# KiCad board pcb.kicad_pcb (continued)
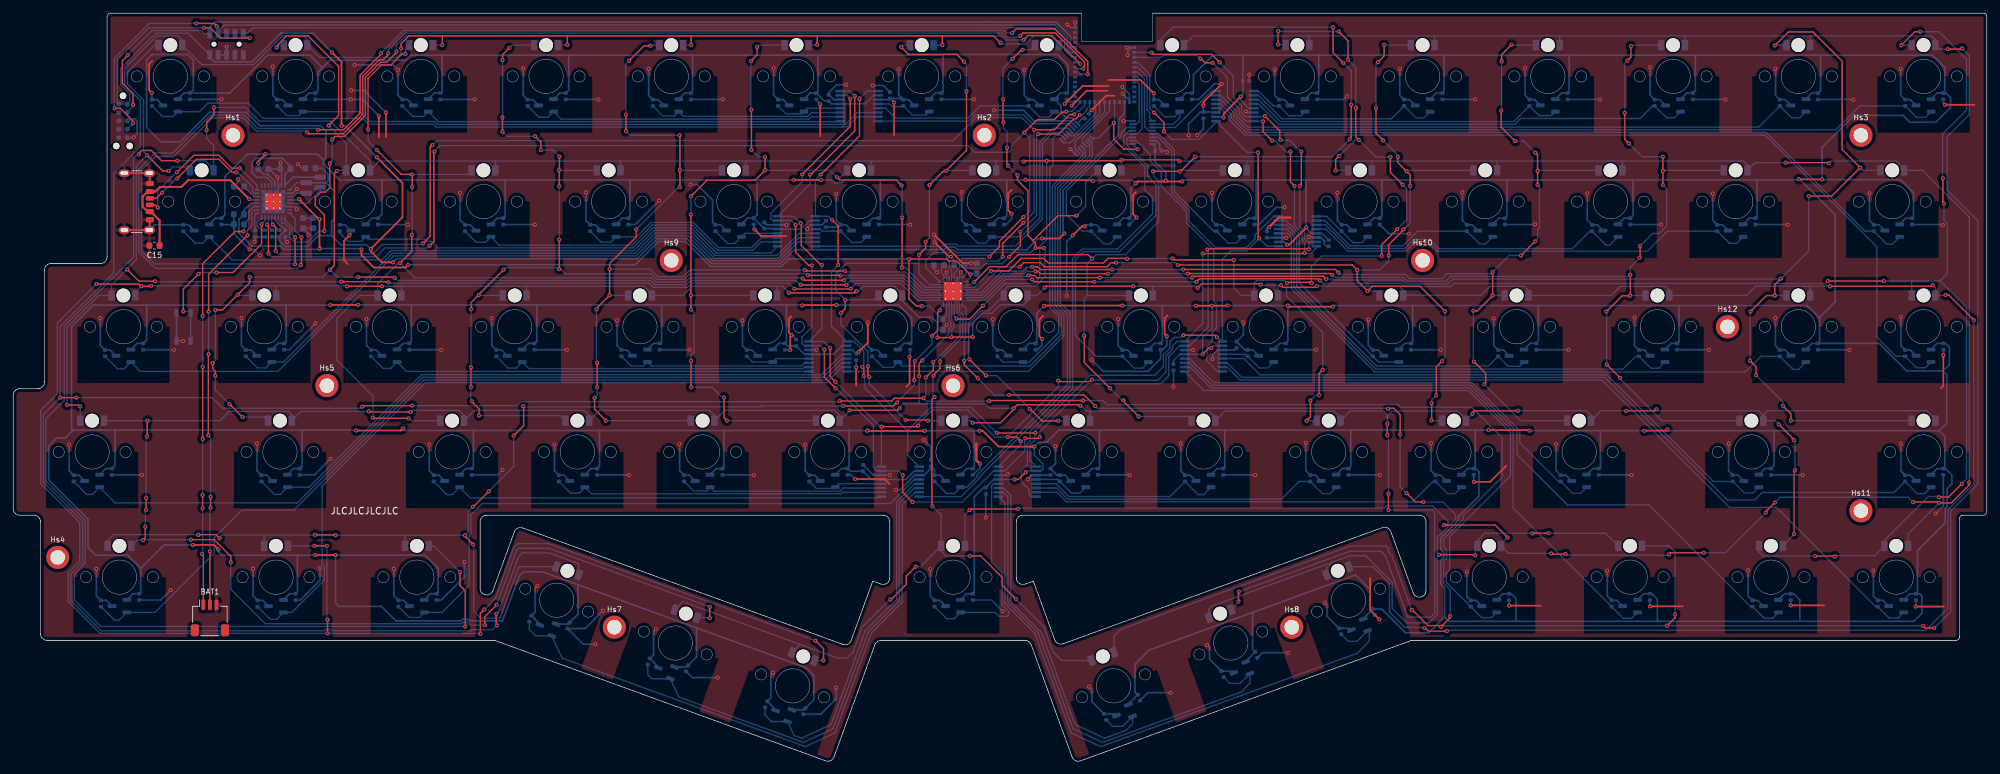
[diagram p0: board, top side]
## Placement (name value [footprint] x y rotation side) (continued)
TMR45  TMR2617  [SOT-23-3]  11.97 42.48 180 bottom
TMR46  TMR2617  [SOT-23-3]  40.48 42.48 180 bottom
TMR47  TMR2617  [SOT-23-3]  66.6 42.48 180 bottom
TMR48  TMR2617  [SOT-23-3]  85.6 42.48 180 bottom
TMR49  TMR2617  [SOT-23-3]  104.6 42.48 180 bottom
TMR50  TMR2617  [SOT-23-3]  123.6 42.48 180 bottom
TMR51  TMR2617  [SOT-23-3]  142.6 42.48 180 bottom
TMR52  TMR2617  [SOT-23-3]  161.6 42.48 180 bottom
TMR53  TMR2617  [SOT-23-3]  180.6 42.48 180 bottom
TMR54  TMR2617  [SOT-23-3]  199.6 42.48 180 bottom
TMR55  TMR2617  [SOT-23-3]  218.6 42.48 180 bottom
TMR56  TMR2617  [SOT-23-3]  237.6 42.48 180 bottom
TMR57  TMR2617  [SOT-23-3]  263.73 42.48 180 bottom
TMR58  TMR2617  [SOT-23-3]  289.85 42.48 180 bottom
TMR59  TMR2617  [SOT-23-3]  16.12 23.48 180 bottom
TMR60  TMR2617  [SOT-23-3]  39.88 23.48 180 bottom
TMR61  TMR2617  [SOT-23-3]  61.25 23.48 180 bottom
TMR62  TMR2617  [SOT-23-3]  80.97 20.25 160 bottom
TMR63  TMR2617  [SOT-23-3]  98.95 13.75 160 bottom
TMR64  TMR2617  [SOT-23-3]  116.75 7.25 160 bottom
TMR65  TMR2617  [SOT-23-3]  142.6 23.48 180 bottom
TMR66  TMR2617  [SOT-23-3]  168.45 7.25 200 bottom
TMR67  TMR2617  [SOT-23-3]  186.25 13.75 200 bottom
TMR68  TMR2617  [SOT-23-3]  204.1 20.25 200 bottom
TMR69  TMR2617  [SOT-23-3]  223.95 23.48 180 bottom
TMR70  TMR2617  [SOT-23-3]  245.32 23.48 180 bottom
TMR71  TMR2617  [SOT-23-3]  266.7 23.48 180 bottom
TMR72  TMR2617  [SOT-23-3]  285.7 23.48 180 bottom
USB1  USB_C_Receptacle_PowerOnly_6P  [USB_C_Receptacle_GCT_USB4125-xx-x-0190_6P_TopMnt_Horizontal]  17.65 84.88 270 top

## Library data of the parts
BAT1 = -: Description: PS5 battery pack (red->power, black->ground, white->ntc); ki_fp_filters: TSSOP*4.4x9.7mm*P0.65mm*
C1-C5 C10-C13 C16-C20 C24-C27 = -: Description: Capacitor, X5R, ±10%, at least 2xVdd (>=5V); ki_fp_filters: C_*
C6-C8 C21 C22 = -: Description: Capacitor, X5R, 25 V, ±20%; ki_fp_filters: C_*
C9 C29 = -: Description: Capacitor, X5R, ±10%; ki_fp_filters: C_*
C14 C15 C30-C32 = -: Description: Capacitor, X5R, 10 V, ±10%; ki_fp_filters: C_*
C23 C28 = -: Description: Capacitor, X7R, 16 V, ±10%; ki_fp_filters: C_*
Cvcc1-Cvcc72 Cvout1-Cvout72 = -: Description: Unpolarized capacitor, small symbol; ki_fp_filters: C_*
D1-D72 = -: Datasheet: https://www.we-online.com/components/products/datasheet/156120VS75300.pdf; Description: Light emitting diode, small symbol, filled shape; Sim.Pins: 1=K 2=A; ki_fp_filters: LED* LED_SMD:* LED_THT:*
Hs1-Hs12 = -: Description: Mounting Hole without connection; ki_fp_filters: MountingHole*
JTAG1 JTAG2 = -: Description: Generic connector, double row, 02x05, odd/even pin numbering scheme (row 1 odd numbers, row 2 even numbers), script generated (kicad-library-utils/schlib/autogen/connector/); ki_fp_filters: Connector*:*_2x??_*
L1 = -: Description: Inductor, DCR < 400 mΩ, ±20%; Ex: Murata DFE201210U-2R2M Samsung CIGT201610EH2R2MNE  Samsung CIGT252008LM2R2MNE  Taiyo Yuden MDKK1616T2R2MM; ki_fp_filters: Choke_* *Coil* Inductor_* L_*
L2 = -: Description: Inductor, DCR < 400 mΩ, ±20%; ki_fp_filters: Choke_* *Coil* Inductor_* L_*
LEDDR1 = -: Datasheet: http://www.ti.com/lit/ds/symlink/lp5864.pdf; Description: 72-Channel 12-Bit PWM Ultra-low Quiescent Current I2C RGB LED Driver; ki_fp_filters: VQFN?46?1EP?5x6mm?P0.4mm?EP2.8x3.8mm*
M1 = -: Datasheet: https://www.ezurio.com/documentation/datasheet-bl54l10-and-bl54l15-series; Description: nRF54L15 module
MUXA1 MUXA2 = -: Datasheet: https://www.ti.com/lit/ds/symlink/tmux1574.pdf; Description: Low Capacitance, 4-Channel, 2 to 1 Switch, Powered-off Protection with 1.8V logic, TSOT-23-16; ki_fp_filters: *TSOT*23?16*
MUXB1-MUXB8 = -: Datasheet: https://www.ti.com/lit/ds/symlink/tmux1108.pdf; Description: 5V / ±2.5V, Low-Leakage-Current, 8:1 Precision Multiplexer, 2.5 Ohm Ron, 90Mhz, TSSOP-16; ki_fp_filters: TSSOP*4.4x5mm*P0.65mm*
PMIC1 = -: Datasheet: https://docs.nordicsemi.com/bundle/ps_npm1300; Description: PMIC, LED Driver, Battery Charger, QFN-32; ki_fp_filters: QFN*32*1EP*5x5mm*P0.5mm*EP3.6x3.6mm*
R1 R2 = -: Description: Resistor, small symbol; ki_fp_filters: R_*
R3 R4 = -: Description: Resistor, 0.05 W, ±1%, to select 1.8v at buck converter #1 on reset; ki_fp_filters: R_*
S1-S72 = -: Description: Gateron Low profile magentic switch
SW1 = -: Description: 1x DIP Switch, Single Pole Single Throw (SPST) switch, small symbol; ki_fp_filters: SW?DIP?x1*
TMR1-TMR72 = -: Description: TMR sensor by MDT, z-axis sensitivity, SOT23-3; ki_fp_filters: SOT?23*
USB1 = -: Datasheet: https://www.usb.org/sites/default/files/documents/usb_type-c.zip; Description: USB Power-Only 6P Type-C Receptacle connector; ki_fp_filters: USB*C*Receptacle*

## Footprints (pads in the part's own frame, mm; a bottom-side part is the same pattern mirrored in y, then rotated)
Button_Switch_3x4x2.5
  rect 1.2x0.65 smd: 1(-2.15,1.075) 1(2.15,1.075) 2(-2.15,-1.075) 2(2.15,-1.075)
C_0402_1005Metric
  rrect 0.56x0.62 smd: 1(-0.48,0) 2(0.48,0)
C_0603_1608Metric
  rrect 0.9x0.95 smd: 1(-0.775,0) 2(0.775,0)
Ezurio_BL54L15_Module
  rect 0.45x0.6 smd: 1(11.8,0.503) 2(11.05,0.503) 3(10.3,0.503) 4(9.55,0.503) 5(8.8,0.503) 6(8.05,0.503) 7(7.3,0.503) 8(6.55,0.503) 9(5.8,0.503) 10(5.05,0.503) 11(4.3,0.503) 12(3.55,0.503) 13(2.8,0.503) 14(2.05,0.503) 15(1.3,0.503) 16(0.55,0.503) 28(0.55,9.497) 29(1.3,9.497) 30(2.05,9.497) 31(2.8,9.497) 32(3.55,9.497) 33(4.3,9.497) 34(5.05,9.497) 35(5.8,9.497) 36(6.55,9.497) 37(7.3,9.497) 38(8.05,9.497) 39(8.8,9.497)
  rect 0.6x0.45 smd: 17(0.503,1.25) 18(0.503,2) 19(0.503,2.75) 20(0.503,3.5) 21(0.503,4.25) 22(0.503,5) 23(0.503,5.75) 24(0.503,6.5) 25(0.503,7.25) 26(0.503,8) 27(0.503,8.75)
JST_SH_SM03B-SRSS-TB_1x03-1MP_P1.00mm_Horizontal
  rrect 0.6x1.55 smd: 1(-1,2) 2(0,2) 3(1,2)
  rrect 1.2x1.8 smd: MP(-2.3,-1.875) MP(2.3,-1.875)
L_Samsung_CIGT201610EH2R2MNE
  rrect 0.8x1.8 smd: 1(-0.8,0) 2(0.8,0)
LED_1206_3216Metric_ReverseMount_Hole2.1mm
  round 2.1 hole 2.1 unplated: (0,0)
  rrect 1x1.6 smd: 1(-1.8,0) 2(1.8,0)
MountingHole_2.2mm_M2_ISO7380_Pad_TopBottom
  round 2.6 hole 2.2: 1(0,0)
  round 3.5 smd: 1(0,0)
  round 3.5 smd far side: 1(0,0)
QFN-32-1EP_5x5mm_P0.5mm_EP3.6x3.6mm_ThermalVias
  rrect 0.97x0.97 smd: (-1.2,-1.2) (-1.2,0) (-1.2,1.2) (0,-1.2) (0,0) (0,1.2) (1.2,-1.2) (1.2,0) (1.2,1.2)
  rrect 0.8x0.25 smd: 1(-2.45,1.75) 2(-2.45,1.25) 3(-2.45,0.75) 4(-2.45,0.25) 5(-2.45,-0.25) 6(-2.45,-0.75) 7(-2.45,-1.25) 8(-2.45,-1.75) 17(2.45,-1.75) 18(2.45,-1.25) 19(2.45,-0.75) 20(2.45,-0.25) 21(2.45,0.25) 22(2.45,0.75) 23(2.45,1.25) 24(2.45,1.75)
  rrect 0.25x0.8 smd: 9(-1.75,-2.45) 10(-1.25,-2.45) 11(-0.75,-2.45) 12(-0.25,-2.45) 13(0.25,-2.45) 14(0.75,-2.45) 15(1.25,-2.45) 16(1.75,-2.45) 25(1.75,2.45) 26(1.25,2.45) 27(0.75,2.45) 28(0.25,2.45) 29(-0.25,2.45) 30(-0.75,2.45) 31(-1.25,2.45) 32(-1.75,2.45)
  round 0.5 hole 0.2: 33(-1,-1) 33(-1,0) 33(-1,1) 33(0,-1) 33(0,0) 33(0,1) 33(1,-1) 33(1,0) 33(1,1)
  rect 2.5x2.5 smd far side: 33(0,0)
  rect 3.6x3.6 smd: 33(0,0)
R_0402_1005Metric
  rrect 0.54x0.64 smd: 1(-0.51,0) 2(0.51,0)
SAMTEC-CLP-105-02-X-D-A
  round 0.74 hole 0.74 unplated: (-1.905,0) (1.905,0)
  rect 0.74x1.47 smd: 1(-2.54,1.613) 2(-2.54,-1.613) 3(-1.27,1.613) 4(-1.27,-1.613) 5(0,1.613) 6(0,-1.613) 7(1.27,1.613) 8(1.27,-1.613) 9(2.54,1.613) 10(2.54,-1.613)
SOT-23-3
  rrect 1.325x0.6 smd: 1(-1.137,0.95) 2(-1.137,-0.95) 3(1.137,0)
Tag-Connect_TC2050-IDC-NL_2x05_P1.27mm_Vertical
  round 0.991 hole 0.991 unplated: (-3.81,0) (3.81,-1.016) (3.81,1.016)
  round 0.787 smd: 1(-2.54,-0.635) 2(-1.27,-0.635) 3(0,-0.635) 4(1.27,-0.635) 5(2.54,-0.635) 6(2.54,0.635) 7(1.27,0.635) 8(0,0.635) 9(-1.27,0.635) 10(-2.54,0.635)
Texas_DYY0016A_TSOT-23-16_2x4.2mm_P0.5mm
  rrect 1.05x0.3 smd: 1(-1.5,1.75) 2(-1.5,1.25) 3(-1.5,0.75) 4(-1.5,0.25) 5(-1.5,-0.25) 6(-1.5,-0.75) 7(-1.5,-1.25) 8(-1.5,-1.75) 9(1.5,-1.75) 10(1.5,-1.25) 11(1.5,-0.75) 12(1.5,-0.25) 13(1.5,0.25) 14(1.5,0.75) 15(1.5,1.25) 16(1.5,1.75)
TSSOP-16_4.4x5mm_P0.65mm
  rrect 1.475x0.4 smd: 1(-2.862,2.275) 2(-2.862,1.625) 3(-2.862,0.975) 4(-2.862,0.325) 5(-2.862,-0.325) 6(-2.862,-0.975) 7(-2.862,-1.625) 8(-2.862,-2.275) 9(2.862,-2.275) 10(2.862,-1.625) 11(2.862,-0.975) 12(2.862,-0.325) 13(2.862,0.325) 14(2.862,0.975) 15(2.862,1.625) 16(2.862,2.275)
USB_C_Receptacle_GCT_USB4125-xx-x-0190_6P_TopMnt_Horizontal
  rrect 0.7x1.2 smd: A5(-0.5,3.08) B5(0.5,3.08)
  rrect 0.76x1.2 smd: A9(1.52,3.08) B9(-1.52,3.08)
  rrect 0.8x1.2 smd: A12(2.75,3.08) B12(-2.75,3.08)
  oval 1.1x1.7 hole 0.6x1.2: S1(-4.32,3) S1(-4.32,-0.8) S1(4.32,3) S1(4.32,-0.8)
VQFN-32-1EP_4x4mm_P0.4mm_EP2.8x2.8mm_ThermalVias
  rrect 1.17x1.17 smd: (-0.7,-0.7) (-0.7,0.7) (0.7,-0.7) (0.7,0.7)
  rrect 0.775x0.2 smd: 1(-1.988,1.4) 2(-1.988,1) 3(-1.988,0.6) 4(-1.988,0.2) 5(-1.988,-0.2) 6(-1.988,-0.6) 7(-1.988,-1) 8(-1.988,-1.4) 17(1.988,-1.4) 18(1.988,-1) 19(1.988,-0.6) 20(1.988,-0.2) 21(1.988,0.2) 22(1.988,0.6) 23(1.988,1) 24(1.988,1.4)
  rrect 0.2x0.775 smd: 9(-1.4,-1.988) 10(-1,-1.988) 11(-0.6,-1.988) 12(-0.2,-1.988) 13(0.2,-1.988) 14(0.6,-1.988) 15(1,-1.988) 16(1.4,-1.988) 25(1.4,1.988) 26(1,1.988) 27(0.6,1.988) 28(0.2,1.988) 29(-0.2,1.988) 30(-0.6,1.988) 31(-1,1.988) 32(-1.4,1.988)
  round 0.5 hole 0.2: 33(-1.15,-1.15) 33(-1.15,0) 33(-1.15,1.15) 33(0,-1.15) 33(0,0) 33(0,1.15) 33(1.15,-1.15) 33(1.15,0) 33(1.15,1.15)
  rect 2.8x2.8 smd far side: 33(0,0)
  rect 2.8x2.8 smd: 33(0,0)

## Nets
/VDDIO: C9.2 C21.1 JTAG1.1 JTAG2.1 L1.1 M1.26 PMIC1.1 PMIC1.12 R1.1 R2.1
GND: BAT1.3 C1.1 C2.1 C3.1 C4.1 C5.1 C6.2 C7.2 C8.2 C9.1 C10.1 C10.2 C11.1 C11.2 C12.1 C12.2 C13.1 C13.2 C14.2 C15.2 C16.1 C17.1 C18.1 C19.1 C20.1 C21.2 C22.2 C23.2 C24.1 C24.2 C25.1 C25.2 C26.1 C26.2 C27.1 C27.2 C28.2 C29.2 C30.1 C31.2 C32.2 Cvcc1.2 Cvcc2.2 Cvcc3.2 Cvcc4.2 Cvcc5.2 Cvcc6.2 Cvcc7.2 Cvcc8.2 Cvcc9.2 Cvcc10.2 Cvcc11.2 Cvcc12.2 Cvcc13.2 Cvcc14.2 Cvcc15.2 Cvcc16.2 Cvcc17.2 Cvcc18.2 Cvcc19.2 Cvcc20.2 Cvcc21.2 Cvcc22.2 Cvcc23.2 Cvcc24.2 Cvcc25.2 Cvcc26.2 Cvcc27.2 Cvcc28.2 Cvcc29.2 Cvcc30.2 Cvcc31.2 Cvcc32.2 Cvcc33.2 Cvcc34.2 Cvcc35.2 Cvcc36.2 Cvcc37.2 Cvcc38.2 Cvcc39.2 Cvcc40.2 Cvcc41.2 Cvcc42.2 Cvcc43.2 Cvcc44.2 Cvcc45.2 Cvcc46.2 Cvcc47.2 Cvcc48.2 Cvcc49.2 Cvcc50.2 Cvcc51.2 Cvcc52.2 Cvcc53.2 Cvcc54.2 Cvcc55.2 Cvcc56.2 Cvcc57.2 Cvcc58.2 Cvcc59.2 Cvcc60.2 Cvcc61.2 Cvcc62.2 Cvcc63.2 Cvcc64.2 Cvcc65.2 Cvcc66.2 Cvcc67.2 Cvcc68.2 Cvcc69.2 Cvcc70.2 Cvcc71.2 Cvcc72.2 Cvout1.2 Cvout2.2 Cvout3.2 Cvout4.2 Cvout5.2 Cvout6.2 Cvout7.2 Cvout8.2 Cvout9.2 Cvout10.2 Cvout11.2 Cvout12.2 Cvout13.2 Cvout14.2 Cvout15.2 Cvout16.2 Cvout17.2 Cvout18.2 Cvout19.2 Cvout20.2 Cvout21.2 Cvout22.2 Cvout23.2 Cvout24.2 Cvout25.2 Cvout26.2 Cvout27.2 Cvout28.2 Cvout29.2 Cvout30.2 Cvout31.2 Cvout32.2 Cvout33.2 Cvout34.2 Cvout35.2 Cvout36.2 Cvout37.2 Cvout38.2 Cvout39.2 Cvout40.2 Cvout41.2 Cvout42.2 Cvout43.2 Cvout44.2 Cvout45.2 Cvout46.2 Cvout47.2 Cvout48.2 Cvout49.2 Cvout50.2 Cvout51.2 Cvout52.2 Cvout53.2 Cvout54.2 Cvout55.2 Cvout56.2 Cvout57.2 Cvout58.2 Cvout59.2 Cvout60.2 Cvout61.2 Cvout62.2 Cvout63.2 Cvout64.2 Cvout65.2 Cvout66.2 Cvout67.2 Cvout68.2 Cvout69.2 Cvout70.2 Cvout71.2 Cvout72.2 JTAG1.3 JTAG1.5 JTAG2.3 JTAG2.5 LEDDR1.26 LEDDR1.27 LEDDR1.30 LEDDR1.31 LEDDR1.33 M1.1 M1.16 M1.27 M1.39 MUXA1.8 MUXA1.15 MUXA2.8 MUXA2.15 MUXB1.3 MUXB1.14 MUXB2.3 MUXB2.14 MUXB3.3 MUXB3.14 MUXB4.3 MUXB4.14 MUXB5.3 MUXB5.14 MUXB6.3 MUXB6.14 MUXB7.3 MUXB7.14 MUXB8.3 MUXB8.14 PMIC1.2 PMIC1.6 PMIC1.30 PMIC1.31 PMIC1.33 R3.1 R4.1 SW1.1 TMR1.3 TMR2.3 TMR3.3 TMR4.3 TMR5.3 TMR6.3 TMR7.3 TMR8.3 TMR9.3 TMR10.3 TMR11.3 TMR12.3 TMR13.3 TMR14.3 TMR15.3 TMR16.3 TMR17.3 TMR18.3 TMR19.3 TMR20.3 TMR21.3 TMR22.3 TMR23.3 TMR24.3 TMR25.3 TMR26.3 TMR27.3 TMR28.3 TMR29.3 TMR30.3 TMR31.3 TMR32.3 TMR33.3 TMR34.3 TMR35.3 TMR36.3 TMR37.3 TMR38.3 TMR39.3 TMR40.3 TMR41.3 TMR42.3 TMR43.3 TMR44.3 TMR45.3 TMR46.3 TMR47.3 TMR48.3 TMR49.3 TMR50.3 TMR51.3 TMR52.3 TMR53.3 TMR54.3 TMR55.3 TMR56.3 TMR57.3 TMR58.3 TMR59.3 TMR60.3 TMR61.3 TMR62.3 TMR63.3 TMR64.3 TMR65.3 TMR66.3 TMR67.3 TMR68.3 TMR69.3 TMR70.3 TMR71.3 TMR72.3 USB1.A12 USB1.B12 USB1.S1
VCCS: C1.2 C2.2 C3.2 C4.2 C5.2 C16.2 C17.2 C18.2 C19.2 C20.2 C23.1 Cvcc1.1 Cvcc2.1 Cvcc3.1 Cvcc4.1 Cvcc5.1 Cvcc6.1 Cvcc7.1 Cvcc8.1 Cvcc9.1 Cvcc10.1 Cvcc11.1 Cvcc12.1 Cvcc13.1 Cvcc14.1 Cvcc15.1 Cvcc16.1 Cvcc17.1 Cvcc18.1 Cvcc19.1 Cvcc20.1 Cvcc21.1 Cvcc22.1 Cvcc23.1 Cvcc24.1 Cvcc25.1 Cvcc26.1 Cvcc27.1 Cvcc28.1 Cvcc29.1 Cvcc30.1 Cvcc31.1 Cvcc32.1 Cvcc33.1 Cvcc34.1 Cvcc35.1 Cvcc36.1 Cvcc37.1 Cvcc38.1 Cvcc39.1 Cvcc40.1 Cvcc41.1 Cvcc42.1 Cvcc43.1 Cvcc44.1 Cvcc45.1 Cvcc46.1 Cvcc47.1 Cvcc48.1 Cvcc49.1 Cvcc50.1 Cvcc51.1 Cvcc52.1 Cvcc53.1 Cvcc54.1 Cvcc55.1 Cvcc56.1 Cvcc57.1 Cvcc58.1 Cvcc59.1 Cvcc60.1 Cvcc61.1 Cvcc62.1 Cvcc63.1 Cvcc64.1 Cvcc65.1 Cvcc66.1 Cvcc67.1 Cvcc68.1 Cvcc69.1 Cvcc70.1 Cvcc71.1 Cvcc72.1 MUXA1.16 MUXA2.16 MUXB1.2 MUXB1.13 MUXB2.2 MUXB2.13 MUXB3.2 MUXB3.13 MUXB4.2 MUXB4.13 MUXB5.2 MUXB5.13 MUXB6.2 MUXB6.13 MUXB7.2 MUXB7.13 MUXB8.2 MUXB8.13 PMIC1.29 TMR1.1 TMR2.1 TMR3.1 TMR4.1 TMR5.1 TMR6.1 TMR7.1 TMR8.1 TMR9.1 TMR10.1 TMR11.1 TMR12.1 TMR13.1 TMR14.1 TMR15.1 TMR16.1 TMR17.1 TMR18.1 TMR19.1 TMR20.1 TMR21.1 TMR22.1 TMR23.1 TMR24.1 TMR25.1 TMR26.1 TMR27.1 TMR28.1 TMR29.1 TMR30.1 TMR31.1 TMR32.1 TMR33.1 TMR34.1 TMR35.1 TMR36.1 TMR37.1 TMR38.1 TMR39.1 TMR40.1 TMR41.1 TMR42.1 TMR43.1 TMR44.1 TMR45.1 TMR46.1 TMR47.1 TMR48.1 TMR49.1 TMR50.1 TMR51.1 TMR52.1 TMR53.1 TMR54.1 TMR55.1 TMR56.1 TMR57.1 TMR58.1 TMR59.1 TMR60.1 TMR61.1 TMR62.1 TMR63.1 TMR64.1 TMR65.1 TMR66.1 TMR67.1 TMR68.1 TMR69.1 TMR70.1 TMR71.1 TMR72.1
/AIN0: M1.23 MUXA1.4
/AIN1: M1.22 MUXA1.7
/AIN2: M1.21 MUXA1.9
/AIN3: M1.20 MUXA1.12
/AIN4: M1.35 MUXA2.9
/AIN5: M1.34 MUXA2.12
/AIN6: M1.33 MUXA2.4
/AIN7: M1.32 MUXA2.7
/ANA_01: Cvout1.1 MUXB1.7 TMR1.2
/ANA_02: Cvout2.1 MUXB1.6 TMR2.2
/ANA_03: Cvout3.1 MUXB1.9 TMR3.2
/ANA_04: Cvout4.1 MUXB1.10 TMR4.2
/ANA_05: Cvout5.1 MUXB1.11 TMR5.2
/ANA_06: Cvout6.1 MUXB1.12 TMR6.2
/ANA_07: Cvout7.1 MUXB1.4 TMR7.2
/ANA_08: Cvout8.1 MUXB1.5 TMR8.2
/ANA_09: Cvout9.1 MUXA2.10 TMR9.2
/ANA_10: Cvout10.1 MUXB5.9 TMR10.2
/ANA_11: Cvout11.1 MUXB5.10 TMR11.2
/ANA_12: Cvout12.1 MUXB5.11 TMR12.2
/ANA_13: Cvout13.1 MUXB5.12 TMR13.2
/ANA_14: Cvout14.1 MUXB5.7 TMR14.2
/ANA_15: Cvout15.1 MUXB5.6 TMR15.2
/ANA_16: Cvout16.1 MUXB2.5 TMR16.2
/ANA_17: Cvout17.1 MUXB2.9 TMR17.2
/ANA_18: Cvout18.1 MUXB2.10 TMR18.2
/ANA_19: Cvout19.1 MUXB2.11 TMR19.2
/ANA_20: Cvout20.1 MUXB2.12 TMR20.2
/ANA_21: Cvout21.1 MUXB2.4 TMR21.2
/ANA_22: Cvout22.1 MUXA1.13 TMR22.2
/ANA_23: Cvout23.1 MUXA2.6 TMR23.2
/ANA_24: Cvout24.1 MUXA2.13 TMR24.2
/ANA_25: Cvout25.1 MUXB6.9 TMR25.2
/ANA_26: Cvout26.1 MUXB6.10 TMR26.2
/ANA_27: Cvout27.1 MUXB6.11 TMR27.2
/ANA_28: Cvout28.1 MUXB6.12 TMR28.2
/ANA_29: Cvout29.1 MUXB5.5 TMR29.2
/ANA_30: Cvout30.1 MUXB2.7 TMR30.2
/ANA_31: Cvout31.1 MUXB2.6 TMR31.2
/ANA_32: Cvout32.1 MUXB3.9 TMR32.2
/ANA_33: Cvout33.1 MUXB3.10 TMR33.2
/ANA_34: Cvout34.1 MUXB3.11 TMR34.2
/ANA_35: Cvout35.1 MUXB3.12 TMR35.2
/ANA_36: Cvout36.1 MUXA1.6 TMR36.2
/ANA_37: Cvout37.1 MUXA1.10 TMR37.2
/ANA_38: Cvout38.1 MUXA2.3 TMR38.2
/ANA_39: Cvout39.1 MUXB7.4 TMR39.2
/ANA_40: Cvout40.1 MUXB6.7 TMR40.2
/ANA_41: Cvout41.1 MUXB6.6 TMR41.2
/ANA_42: Cvout42.1 MUXB6.5 TMR42.2
/ANA_43: Cvout43.1 MUXB6.4 TMR43.2
/ANA_44: Cvout44.1 MUXB5.4 TMR44.2
/ANA_45: Cvout45.1 MUXB3.5 TMR45.2
/ANA_46: Cvout46.1 MUXB3.4 TMR46.2
/ANA_47: Cvout47.1 MUXB4.9 TMR47.2
/ANA_48: Cvout48.1 MUXB4.10 TMR48.2
/ANA_49: Cvout49.1 MUXB4.11 TMR49.2
/ANA_50: Cvout50.1 MUXB4.12 TMR50.2
/ANA_51: Cvout51.1 MUXA1.3 TMR51.2
/ANA_52: Cvout52.1 MUXB8.4 TMR52.2
/ANA_53: Cvout53.1 MUXB8.5 TMR53.2
/ANA_54: Cvout54.1 MUXB8.6 TMR54.2
/ANA_55: Cvout55.1 MUXB8.7 TMR55.2
/ANA_56: Cvout56.1 MUXB7.12 TMR56.2
/ANA_57: Cvout57.1 MUXB7.5 TMR57.2
/ANA_58: Cvout58.1 MUXB7.6 TMR58.2
/ANA_59: Cvout59.1 MUXB3.6 TMR59.2
/ANA_60: Cvout60.1 MUXB3.7 TMR60.2
/ANA_61: Cvout61.1 MUXB4.4 TMR61.2
/ANA_62: Cvout62.1 MUXB4.7 TMR62.2
/ANA_63: Cvout63.1 MUXB4.6 TMR63.2
/ANA_64: Cvout64.1 MUXB4.5 TMR64.2
/ANA_65: Cvout65.1 MUXB8.12 TMR65.2
/ANA_66: Cvout66.1 MUXB8.11 TMR66.2
/ANA_67: Cvout67.1 MUXB8.10 TMR67.2
/ANA_68: Cvout68.1 MUXB8.9 TMR68.2
/ANA_69: Cvout69.1 MUXB7.9 TMR69.2
/ANA_70: Cvout70.1 MUXB7.10 TMR70.2
/ANA_71: Cvout71.1 MUXB7.11 TMR71.2
/ANA_72: Cvout72.1 MUXB7.7 TMR72.2
/CS0: D9.1 D24.1 D38.1 D53.1 LEDDR1.2
/CS1: D10.1 D25.1 D39.1 D54.1 LEDDR1.3
/CS2: D11.1 D26.1 D40.1 D55.1 LEDDR1.4
/CS3: D12.1 D27.1 D41.1 D56.1 LEDDR1.5
/CS4: D13.1 D28.1 D42.1 D57.1 LEDDR1.6
/CS5: D14.1 D29.1 D43.1 D58.1 LEDDR1.7
/CS6: D15.1 D44.1 D71.1 D72.1 LEDDR1.8
/CS7: D67.1 D68.1 D69.1 D70.1 LEDDR1.9
/CS8: D63.1 D64.1 D65.1 D66.1 LEDDR1.10
/CS9: D59.1 D60.1 D61.1 D62.1 LEDDR1.16
/CS10: D1.1 D16.1 D30.1 D45.1 LEDDR1.17
/CS11: D2.1 D17.1 D31.1 D46.1 LEDDR1.18
/CS12: D3.1 D18.1 D32.1 D47.1 LEDDR1.19
/CS13: D4.1 D19.1 D33.1 D48.1 LEDDR1.20
/CS14: D5.1 D20.1 D34.1 D49.1 LEDDR1.21
/CS15: D6.1 D21.1 D35.1 D50.1 LEDDR1.22
/CS16: D7.1 D22.1 D36.1 D51.1 LEDDR1.23
/CS17: D8.1 D23.1 D37.1 D52.1 LEDDR1.24
/GPIO_X: M1.8 PMIC1.10
/INT: M1.10 PMIC1.8
/LED_DR_EN: C29.1 LEDDR1.32 M1.19
/LOADSW_CTRL: M1.9 PMIC1.9
/MUX_B_1: MUXA1.14 MUXB1.8
/MUX_B_2: MUXA1.11 MUXB2.8
/MUX_B_3: MUXA1.5 MUXB3.8
/MUX_B_4: MUXA1.2 MUXB4.8
/MUX_B_5: MUXA2.11 MUXB5.8
/MUX_B_6: MUXA2.14 MUXB6.8
/MUX_B_7: MUXA2.2 MUXB7.8
/MUX_B_8: MUXA2.5 MUXB8.8
/MUXA_SEL: M1.24 MUXA1.1 MUXA2.1
/MUXB_SEL_0: M1.36 MUXB1.1 MUXB2.1 MUXB3.1 MUXB4.1 MUXB5.1 MUXB6.1 MUXB7.1 MUXB8.1
/MUXB_SEL_1: M1.37 MUXB1.16 MUXB2.16 MUXB3.16 MUXB4.16 MUXB5.16 MUXB6.16 MUXB7.16 MUXB8.16
/MUXB_SEL_2: M1.38 MUXB1.15 MUXB2.15 MUXB3.15 MUXB4.15 MUXB5.15 MUXB6.15 MUXB7.15 MUXB8.15
/NRESET: JTAG1.10 JTAG2.10 M1.7
/SCL: LEDDR1.28 M1.17 PMIC1.14 R1.2
/SDA: LEDDR1.29 M1.18 PMIC1.13 R2.2
/SW0: D1.2 D2.2 D3.2 D4.2 D5.2 D6.2 D7.2 D8.2 D9.2 D10.2 D11.2 D12.2 D13.2 D14.2 D15.2 D62.2 D66.2 D70.2 LEDDR1.11
/SW1: D16.2 D17.2 D18.2 D19.2 D20.2 D21.2 D22.2 D23.2 D24.2 D25.2 D26.2 D27.2 D28.2 D29.2 D61.2 D65.2 D69.2 D72.2 LEDDR1.12
/SW2: D30.2 D31.2 D32.2 D33.2 D34.2 D35.2 D36.2 D37.2 D38.2 D39.2 D40.2 D41.2 D42.2 D43.2 D44.2 D60.2 D64.2 D68.2 LEDDR1.13
/SW3: D45.2 D46.2 D47.2 D48.2 D49.2 D50.2 D51.2 D52.2 D53.2 D54.2 D55.2 D56.2 D57.2 D58.2 D59.2 D63.2 D67.2 D71.2 LEDDR1.14
/SWDCLK: JTAG1.4 JTAG2.4 M1.6
/SWDIO: JTAG1.2 JTAG2.2 M1.5
/VOUT2: C22.1 L2.1 PMIC1.28 PMIC1.32
/VSYS: C6.1 C7.1 C8.1 C31.1 C32.1 LEDDR1.1 LEDDR1.15 PMIC1.4 PMIC1.20
Net-(BAT1-NTC): BAT1.2 PMIC1.18
Net-(BAT1-VBAT): BAT1.1 C28.1 PMIC1.19
Net-(LEDDR1-VCAP): C30.2 LEDDR1.25
Net-(PMIC1-CC1): PMIC1.23 USB1.A5
Net-(PMIC1-CC2): PMIC1.24 USB1.B5
Net-(PMIC1-SHPHLD): PMIC1.15 SW1.2
Net-(PMIC1-SW1): L1.2 PMIC1.3
Net-(PMIC1-SW2): L2.2 PMIC1.5
Net-(PMIC1-VBUS): C15.1 PMIC1.21 USB1.A9 USB1.B9
Net-(PMIC1-VBUSOUT): C14.1 PMIC1.22
Net-(PMIC1-VSET1): PMIC1.17 R3.2
Net-(PMIC1-VSET2): PMIC1.16 R4.2

Pads without a net: BAT1 MP; Hs1 1; Hs2 1; Hs3 1; Hs4 1; Hs5 1; Hs6 1; Hs7 1; Hs8 1; Hs9 1; Hs10 1; Hs11 1; Hs12 1; JTAG1 6 7 8 9; JTAG2 6 7 8 9; M1 2 3 4 11 12 13 14 15 25 28 29 30 31; PMIC1 7 11 25 26 27

## Via types
v1: diameter 0.6, hole 0.3, Top to Bottom, 785 vias

## Routing (per net, layer and track width the routed paths; a pad name or vN(x,y) marks a point on that pad's centre or on a via; arc(x,y) is an arc through that point)
/VDDIO: length 257.4
  Top w0.25: v1(55.17,91.6) 59.07,87.7 59.07,82.5 v1(54.25,77.68) 54.25,77.36 55.95,75.66 v1(57.63,75.66) ; v1(49.82,96.4) 49.82,106.07 v1(48.36,107.53) ; v1(156.11,79.28) 158.72,79.28 v1(159.49,80.05)
  Bottom w0.2: PMIC1.1 43.04,87.75 L1.1 ; JTAG1.1 26.56,110.43 21.64,110.43 16.32,105.11 16.32,102.62 17.69,101.25 17.69,100.06 JTAG2.1 ; R1.1 R2.1 40.3,79.55 C9.2 41.28,80.66 40.73,81.21 40.53,81.21 39.73,82.01 PMIC1.12
  Bottom w0.25: v1(156.11,79.28) 155.51,79.28 153.81,77.58 143.3,77.58 142.88,77.99 141.66,77.99 141.24,77.58 118.5,77.58 116.4,75.47 106,75.47 102.21,79.27 97.74,79.27 94.7,76.23 94.68,76.21 63.73,76.21 63.73,76.21 58.18,76.21 v1(57.63,75.66) ; 47.45,87.75 47.79,88.09 47.79,89.01 46.85,89.95 C21.1 ; 47.45,87.75 48.75,86.45 48.75,82.29 48.31,81.85 48.31,79.72 ; 47.45,87.75 L1.1 ; v1(49.82,96.4) 50.37,96.4 v1(55.17,91.6) ; M1.26 168.6,98.22 167.69,97.31 167.69,94.99 159.31,86.6 159.31,80.23 v1(159.49,80.05) ; R2.1 40.3,79.05 41.27,78.07 44.65,78.07 46.29,79.72 48.31,79.72 ; JTAG1.1 29.83,106.79 30.53,106.1 36.24,106.1 40.6,110.46 45.43,110.46 v1(48.36,107.53) ; v1(54.25,77.68) 53.62,78.32 49.71,78.32 48.31,79.72
GND: length 1185.3
  Top w0.25: v1(226.99,23.55) 231.79,23.55 ; 292.95,23.5 292.86,23.41 v1(288.65,23.41) ; v1(127.89,59.72) 127.89,56.98 ; v1(269.69,23.59) 274.72,23.59 274.75,23.56 ; v1(151.48,83.04) 150.95,83.57 150.95,86.11 151.48,86.64 ; v1(293.09,99.58) 297.54,99.58 297.56,99.6 ; 167.1,100.96 165.84,100.96 v1(163.62,98.74) ; 170.31,86.29 169.9,85.88 169.9,83.01 v1(170.44,82.47) ; v1(112.47,80.66) 113.47,79.66 117.32,79.66 ; v1(133.64,99.94) 133.64,94.94 ; v1(128.25,62.05) 129.66,63.46 v1(129.66,66.54) ; v1(292.85,61.6) 292.85,56.92 292.49,56.56 ; v1(175.03,64.44) 174.7,64.77 174.7,67.18 175.14,67.62 ; v1(221.61,42.35) 224.1,42.35 226.55,44.8 ; v1(117.9,62.34) 117.9,64.42 v1(118.1,64.63) 117.7,65.03 117.7,67.12 118.03,67.45 ; 132.97,42.01 132.21,42.77 v1(127.74,42.77) ; v1(173.06,101.31) 171.02,103.35 166.17,103.35 ; v1(160.76,79.74) 162.16,81.14 v1(162.61,81.14) ; 55.49,94.67 55.48,94.68 v1(55.48,97.91) ; v1(156.12,64.04) 155.7,64.46 155.7,66.98 156.25,67.53 ; v1(207.29,21.46) 205.89,22.86 205.89,27.81 ; v1(160.61,99.44) 162.87,101.7 166.03,101.7 ; v1(159.54,99.72) 162.24,102.42 166.21,102.42 ; v1(122.44,99.69) 122.45,99.68 122.45,94.78 ; USB1.S1 USB1.S1 20.73,89.12 USB1.B12 ; v1(21.04,101.38) 20.62,101.8 20.62,105.74 21.1,106.22 ; v1(180.59,99.45) 180.59,99.98 v1(183.36,102.75) ; v1(139.71,79.89) 144.08,75.52 v1(145.29,75.52) ; v1(136.01,61.32) 136.01,57.28 135.52,56.79 ; v1(139.79,78.72) 141.99,76.52 v1(142.27,76.52) ; USB1.S1 USB1.S1 20.73,80.64 USB1.A12 ; v1(56.54,98.43) 56.57,98.4 56.57,94.64 ; 50.74,75.42 50.19,75.97 50.19,78.91 v1(51.03,79.75) ; v1(248.33,23.45) 253.33,23.45
  Top w0.35: 193.8,82.46 192,82.46 v1(190.56,81.02) ; 146.13,48.17 146.13,45.63 v1(146.69,45.07)
  Bottom w0.2: LEDDR1.33 143.2,71.88 LEDDR1.30 LEDDR1.31 143.6,73.97 v1(143.82,74.19) ; LEDDR1.27 LEDDR1.26 v1(141.6,74.16) ; v1(150.13,22.7) 148.43,24.4 Cvcc65.2
  Bottom w0.25: v1(51.3,101.76) 53.21,101.76 v1(56.54,98.43) ; v1(34.63,67.21) 34.63,63.03 Cvout31.2 36.08,62.36 TMR31.3 ; v1(148.81,98.74) 153.29,98.74 154.9,97.13 160.37,97.13 MUXA1.15 ; Cvcc66.2 172.16,10.34 v1(175.6,10.34) ; v1(39.39,105.38) 39.39,101.02 Cvout2.2 40.83,100.36 TMR2.3 ; Cvcc21.2 136.09,81.4 v1(136.11,81.38) ; v1(159.94,111.77) 160.43,111.28 M1.1 161.1,112.05 v1(161.12,112.07) ; v1(168.33,101.27) 169.35,100.25 M1.27 169.35,101.21 v1(168.3,102.26) ; v1(178.33,94.93) 178.33,96.66 180.14,98.47 C24.1 ; v1(286.42,48.14) 286.42,43.99 Cvout58.2 287.83,43.36 TMR58.3 ; Cvcc52.2 169.35,43.4 v1(169.39,43.36) ; Cvcc9.2 179.89,100.4 182.24,102.75 v1(183.36,102.75) ; TMR20.3 107.33,81.36 Cvout20.2 106.12,81.79 106.12,85.12 103.77,87.47 v1(102.78,87.47) ; Cvcc26.2 230.89,81.4 v1(230.93,81.44) ; C3.1 114.35,81.35 MUXB2.14 117.29,81.35 v1(117.32,81.33) ; v1(181.9,86.22) 181.9,82.01 Cvout24.2 183.33,81.36 TMR24.3 ; v1(163.62,98.74) 163.23,98.35 C1.1 ; TMR49.3 102.58,43.36 Cvout49.2 101.12,44.04 v1(101.12,48.11) ; Cvout7.2 134.36,101.05 v1(134.36,104.98) ; Cvout7.2 134.88,100.53 C10.2 ; Cvout7.2 135.83,100.36 TMR7.3 ; TMR27.3 240.33,81.36 Cvout27.2 238.82,82.09 v1(238.82,86.14) ; Cvcc33.2 84,62.4 v1(84.01,62.39) ; v1(177.16,48.17) 177.16,44 Cvout53.2 178.58,43.36 TMR53.3 ; v1(110.65,66.87) 110.65,63.01 Cvout35.2 112.08,62.36 TMR35.3 ; C22.2 40.49,89.82 C23.2 38.86,89.82 v1(40.11,88.57) 40.23,88.45 PMIC1.30 ; C22.2 40.54,90.76 v1(40.56,90.78) ; C22.2 40.73,89.68 PMIC1.31 PMIC1.30 ; TMR42.3 247.46,62.36 Cvout42.2 246,63.03 v1(246,67.32) ; v1(86.92,86.29) 86.92,81.99 Cvout19.2 88.33,81.36 TMR19.3 ; C24.1 182.42,98.47 MUXB5.3 ; C24.1 v1(180.59,99.45) ; v1(59.9,81.38) 59.88,81.4 Cvcc17.2 ; JTAG1.3 JTAG1.5 v1(32.37,108.4) ; Cvcc24.2 189.03,81.4 191.64,84.01 v1(192.9,84.01) ; C12.2 127.91,59.74 v1(127.89,59.72) ; TMR15.3 287.83,100.36 Cvout15.2 286.38,101.03 v1(286.38,105.03) ; Cvcc25.2 208.73,80.02 v1(211.79,80.02) ; v1(248.33,23.45) 248.32,23.45 Cvcc70.2 ; TMR57.3 261.71,43.36 Cvout57.2 260.28,44 v1(260.28,48.15) ; Cvcc22.2 150.66,81.4 151.48,82.22 v1(151.48,83.04) ; TMR1.3 21.83,100.36 Cvout1.2 21.05,101.37 v1(21.04,101.38) ; v1(112.47,80.66) 112.35,80.78 Cvcc20.2 ; TMR4.3 78.83,100.36 Cvout4.2 77.39,101.02 v1(77.39,105.13) ; PMIC1.33 40.23,85.63 PMIC1.30 ; PMIC1.33 40.73,86.13 PMIC1.2 42.38,86.13 43.03,86.78 v1(43.03,86.78) ; PMIC1.33 40.23,84.13 PMIC1.6 42.64,84.13 v1(43.03,83.74) ; v1(215.13,48.24) 215.13,44.03 Cvout55.2 216.58,43.36 TMR55.3 ; v1(70.01,100.41) 70,100.4 Cvcc3.2 ; v1(179.04,62.36) 179.03,62.35 MUXB7.14 ; v1(168.46,97.1) 168.49,97.13 MUXA2.8 ; JTAG2.5 18.22,94.59 v1(18.29,94.66) 18.8,95.17 18.8,97.13 18.5,97.43 17.6,97.43 JTAG2.3 ; Cvcc56.2 245.55,43.4 v1(245.56,43.39) ; TMR18.3 69.33,81.36 Cvout18.2 67.81,82.1 v1(67.81,86.21) ; TMR67.3 184.93,13.61 Cvout67.2 181.52,15.41 181.52,17.2 v1(181.16,17.56) ; C14.2 34.14,87.85 v1(34.14,88.28) ; v1(156.12,64.04) 156.12,63.11 155.41,62.4 Cvcc37.2 ; Cvcc63.2 103.03,12.63 v1(106.9,12.63) ; v1(188.45,43.39) 188.44,43.4 Cvcc53.2 ; TMR45.3 9.96,43.36 Cvout45.2 8.49,44.04 v1(8.49,47.98) ; v1(160.43,92.82) 161.17,92.08 MUXA1.8 ; v1(196.58,79.51) 198.3,79.51 198.94,78.87 198.94,78.42 ; Cvcc6.2 121.85,100.28 v1(122.44,99.69) ; Cvcc7.2 v1(145.75,100.4) ; TMR63.3 97.88,14.27 Cvout63.2 97.16,16.07 97.16,19.64 v1(97.52,20) ; TMR9.3 173.83,100.36 Cvout9.2 173.05,101.3 v1(173.06,101.31) ; TMR33.3 74.08,62.36 Cvout33.2 72.62,63.04 v1(72.62,67.18) ; C10.2 133.05,100.53 v1(133.64,99.94) ; C10.2 132.85,100.35 MUXB1.3 ; v1(46.56,29.29) 46.56,27.4 43.56,24.4 Cvcc60.2 ; Cvcc72.2 288.7,23.46 v1(288.65,23.41) ; v1(160.76,79.74) 159.85,78.83 v1(159.85,70.56) ; Cvcc27.2 250.03,81.4 v1(250.05,81.42) ; v1(259.79,100.37) 259.76,100.4 Cvcc13.2 ; Cvcc11.2 221.8,100.4 v1(221.82,100.38) ; C29.2 142.79,75.99 v1(142.27,76.52) ; TMR43.3 268.83,62.36 Cvout43.2 267.38,63.03 v1(267.38,67.24) ; v1(146.69,45.07) 146.69,44.48 145.61,43.4 Cvcc51.2 ; USB1.S1 21.45,81.36 Cvout16.2 26.58,81.36 TMR16.3 ; v1(153.39,104.87) 153.39,101.02 Cvout8.2 154.83,100.36 TMR8.3 ; v1(163.23,11.24) 163.67,10.8 163.67,8.97 Cvout66.2 167.13,7.11 TMR66.3 ; v1(187.54,104.16) 187.53,104.15 C17.1 ; v1(31.61,100.44) 31.57,100.4 Cvcc1.2 ; v1(191.41,104.93) 191.41,101 Cvout10.2 192.83,100.36 TMR10.3 ; 198.94,78.42 198.94,78.91 198.45,79.4 MUXB6.14 ; 198.94,78.42 199.27,78.09 C18.1 ; Cvcc15.2 292.85,99.82 v1(293.09,99.58) ; v1(207.36,43.39) 207.35,43.4 Cvcc54.2 ; v1(121.86,62.37) 121.84,62.35 MUXB3.14 ; v1(175.03,64.44) 175.03,63.02 174.41,62.4 Cvcc38.2 174.1,61.04 172.17,59.11 165.36,59.11 v1(163.61,60.86) ; Cvcc59.2 22.39,24.4 v1(23.89,25.9) ; v1(120.17,48) 120.17,43.99 Cvout50.2 121.58,43.36 TMR50.3 ; TMR61.3 59.23,24.36 Cvout61.2 57.75,25.06 v1(57.75,29.15) ; Cvcc58.2 292.85,38.68 v1(291.7,37.53) ; C9.1 41.28,79.02 v1(41.55,78.75) ; C24.2 180.59,95.92 v1(179.64,94.97) ; C31.2 145.3,75.51 v1(145.29,75.52) ; v1(167.66,67.04) 167.66,63 Cvout38.2 169.08,62.36 TMR38.3 ; TMR48.3 83.58,43.36 Cvout48.2 82.13,44.03 v1(82.13,48.03) ; v1(96.42,105.05) 96.42,100.99 Cvout5.2 97.83,100.36 TMR5.3 ; v1(139.71,79.89) 139.79,79.81 v1(139.79,78.72) ; TMR56.3 235.58,43.36 Cvout56.2 234.11,44.05 v1(234.11,48.07) ; TMR44.3 287.83,62.36 Cvout44.2 286.41,63 v1(286.41,67.39) ; v1(120.47,80.72) 120.47,80.85 120.98,81.35 MUXB2.3 122.72,81.35 C11.1 ; v1(124.87,11.11) 124.87,9.41 122.55,7.08 Cvcc64.2 ; v1(133.94,41.14) 134.55,41.14 136.77,43.35 MUXB4.3 138.2,43.35 139.24,44.39 C13.2 139.8,44.15 Cvout51.2 140.58,43.36 TMR51.3 ; C26.2 185.31,62.35 MUXB7.3 182.73,62.35 181.96,61.59 v1(181.96,61) ; v1(48.16,45.86) 45.7,43.4 Cvcc46.2 ; v1(91.62,66.89) 91.62,63.04 Cvout34.2 93.08,62.36 TMR34.3 ; R4.1 38.19,79.5 R3.1 36.74,78.87 v1(36.63,78.76) ; v1(115.38,105.15) 115.38,101.03 Cvout6.2 116.83,100.36 TMR6.3 ; v1(55.48,97.91) 52.99,100.4 v1(51.23,100.4) Cvcc2.2 ; v1(93.44,43.38) 93.42,43.4 Cvcc48.2 ; TMR37.3 150.08,62.36 Cvout37.2 148.62,63.04 148.62,67.01 v1(148.65,67.04) ; v1(64.94,62.38) 64.92,62.4 Cvcc32.2 ; TMR39.3 188.08,62.36 Cvout39.2 187.28,62.38 186.85,62.38 C26.1 186.65,64.66 v1(186.65,66.55) ; v1(24.41,62.37) 24.38,62.4 Cvcc30.2 ; TMR25.3 202.33,81.36 Cvout25.2 200.91,82 v1(200.91,86.23) ; v1(143.9,86.34) 143.9,82.01 Cvout22.2 145.33,81.36 TMR22.3 ; v1(187.03,98.57) 187.19,98.4 MUXB5.14 ; Cvcc67.2 189.52,16.4 v1(193.45,16.4) ; 33.48,81.57 33.48,83.09 ; v1(210.41,105.07) 210.39,105.05 210.39,101.02 Cvout11.2 211.83,100.36 TMR11.3 ; TMR64.3 115.68,7.77 Cvout64.2 114.96,9.57 114.96,13.06 v1(115.28,13.38) ; v1(141.65,66.17) 141.02,65.54 C32.2 ; v1(281.65,86.15) 281.65,82.01 Cvout29.2 283.08,81.36 TMR29.3 ; TMR30.3 14.71,62.36 Cvout30.2 13.22,63.06 v1(13.22,67.2) ; C21.2 43.81,89.95 v1(43.19,90.57) ; v1(153.97,42.75) 153.97,42.85 154.48,43.35 MUXB8.3 157.34,43.35 C27.2 ; Cvcc57.2 271.47,43.4 v1(271.51,43.36) ; TMR41.3 226.08,62.36 Cvout41.2 224.64,63.02 v1(224.64,67.15) ; Cvcc10.2 201.89,100.4 v1(202.38,100.89) ; Cvcc47.2 73.52,43.4 v1(74.25,44.13) ; v1(36.99,48.18) 36.99,44.04 Cvout46.2 38.46,43.36 TMR46.3 ; TMR65.3 140.58,24.36 Cvout65.2 139.14,25.02 v1(139.14,29.11) ; TMR54.3 197.58,43.36 Cvout54.2 196.12,44.04 v1(196.12,48.28) ; v1(117.9,62.34) 117.84,62.4 Cvcc35.2 ; C20.1 v1(147.56,36.93) ; Cvcc44.2 v1(292.85,61.6) ; v1(128.25,62.05) 127.98,61.78 C12.1 127.33,62.35 MUXB3.3 ; Cvcc29.2 292.69,81.4 v1(292.79,81.3) ; TMR70.3 243.31,24.36 Cvout70.2 241.87,25.01 v1(241.87,28.86) ; Cvcc36.2 136.1,61.41 v1(136.01,61.32) ; v1(279.2,100.35) 279.15,100.4 Cvcc14.2 ; Cvcc5.2 v1(107.68,100.4) ; Cvcc28.2 269.22,81.4 v1(269.24,81.38) ; v1(102.64,62.42) 102.62,62.4 Cvcc34.2 ; v1(79.16,81.38) 79.14,81.4 Cvcc18.2 ; Cvcc71.2 269.7,23.6 v1(269.69,23.59) ; v1(193.14,79.35) 193.09,79.4 MUXB6.3 190.22,79.4 C25.2 ; TMR28.3 259.33,81.36 Cvout28.2 257.87,82.04 v1(257.87,86.1) ; v1(158.14,47.76) 158.14,45.11 C27.1 157.39,44.32 158.35,43.36 Cvout52.2 159.58,43.36 TMR52.3 ; TMR12.3 230.83,100.36 Cvout12.2 229.39,101.02 v1(229.39,105.13) ; v1(133,43.37) 132.98,43.35 MUXB4.14 130.53,43.35 128.96,44.92 C5.1 ; Cvcc61.2 64.93,24.4 68.45,27.92 v1(68.45,30.2) ; Cvout21.2 126.33,81.36 TMR21.3 ; Cvout21.2 124.89,82.02 v1(124.89,86.08) ; Cvout21.2 125.2,81.01 C11.2 ; v1(79.53,26.58) 79.18,26.23 79.18,22.57 Cvout62.2 79.9,20.77 TMR62.3 ; v1(53.61,67.05) 53.61,63.05 Cvout32.2 55.08,62.36 TMR32.3 ; C30.1 139.69,74.66 v1(140.18,74.17) ; v1(176.03,56.79) 176.04,56.8 C19.1 ; v1(129.66,66.54) 129.66,63 Cvout36.2 131.08,62.36 TMR36.3 ; Cvcc39.2 197.69,62.4 v1(197.71,62.38) ; v1(63.13,48.03) 63.13,44.03 Cvout47.2 64.58,43.36 TMR47.3 ; Cvcc68.2 206.61,22.14 v1(207.29,21.46) ; Cvcc45.2 19.53,43.4 v1(19.54,43.39) ; C10.1 132.01,102.51 v1(130.39,102.51) ; v1(162.61,81.14) 162.83,81.36 Cvout23.2 164.33,81.36 TMR23.3 ; TMR13.3 249.83,100.36 Cvout13.2 248.36,101.05 v1(248.36,105.31) ; Cvcc42.2 257.25,62.4 v1(257.28,62.37) ; v1(98,85.04) 94.36,81.4 Cvcc19.2 ; Cvcc16.2 33.46,81.4 C28.2 33.49,80.01 33.48,80 v1(35.87,77.61) 36.52,77.61 v1(37.43,76.7) ; v1(221.61,42.35) 221.6,42.36 Cvcc55.2 ; TMR68.3 202.78,20.11 Cvout68.2 199.37,21.91 199.37,23.63 v1(198.99,24.01) ; v1(51.03,79.75) 51.21,79.93 TMR17.3 50.33,81.36 Cvout17.2 ; v1(51.79,105.63) 57.63,105.63 v1(58.38,104.88) 58.38,101.03 Cvout3.2 59.83,100.36 TMR3.3 ; v1(12.62,29.16) 12.62,25.06 Cvout59.2 14.11,24.36 TMR59.3 ; v1(226.99,23.55) 226.95,23.59 Cvcc69.2 ; Cvcc43.2 278.58,62.4 v1(278.61,62.37) ; SW1.1 SW1.1 25.74,63.73 v1(25.76,63.71) ; TMR14.3 268.83,100.36 Cvout14.2 267.39,101.02 v1(267.39,105.05) ; v1(127.74,42.77) 127.11,43.4 Cvcc50.2 ; v1(138.15,48.71) 139.24,47.62 C13.1 ; TMR60.3 37.86,24.36 Cvout60.2 36.4,25.03 v1(36.4,29.19) ; v1(169.1,107.1) 169.1,107.66 169.72,108.28 M1.39 169.02,108.28 v1(168.97,108.23) ; LEDDR1.33 143.23,71.91 ; v1(88.35,17.7) 86.49,17.7 Cvcc62.2 86.78,20.08 v1(89.49,22.79) ; v1(219.88,86.31) 219.88,82.03 Cvout26.2 221.33,81.36 TMR26.3 ; v1(160.61,99.44) 161.1,99.93 M1.16 160.22,100.03 Cvcc8.2 159.85,100.03 v1(159.54,99.72) ; C7.2 45.52,80.82 C6.2 44.83,79.97 v1(44.83,79.83) ; v1(263.23,28.94) 263.23,25.03 Cvout71.2 264.68,24.36 TMR71.3 ; v1(126.37,102.62) 124.96,102.62 123.73,101.39 C2.1 123.74,101.11 124.5,100.35 MUXB1.14 ; TMR69.3 221.93,24.36 Cvout69.2 220.56,24.95 v1(220.56,28.71) ; MUXB8.14 150.75,43.35 v1(150.9,43.51) ; Cvcc12.2 240.74,100.4 v1(240.76,100.38) ; v1(282.24,28.9) 282.24,25.02 Cvout72.2 283.68,24.36 TMR72.3 ; v1(45.86,66.39) 41.87,62.4 Cvcc31.2 ; v1(112.39,43.36) 112.35,43.4 Cvcc49.2 ; v1(205.6,66.98) 205.6,63.06 Cvout40.2 207.08,62.36 TMR40.3 ; v1(88.8,100.37) 88.77,100.4 Cvcc4.2 ; Cvcc41.2 v1(235.97,62.4) ; v1(118.1,64.63) 118.77,63.96 C4.1 ; Cvcc40.2 216.58,62.4 v1(216.59,62.39) ; v1(170.44,82.47) 169.37,81.4 Cvcc23.2 ; v1(175.06,92.4) 174.87,92.59 C16.1 173.96,92.85 173.96,93.61 173.44,94.13 MUXA2.15
  Bottom w0.35: v1(190.56,81.02) 190.21,80.67 C25.1
